# Altium PCB Zettbret.PcbDoc (continued)
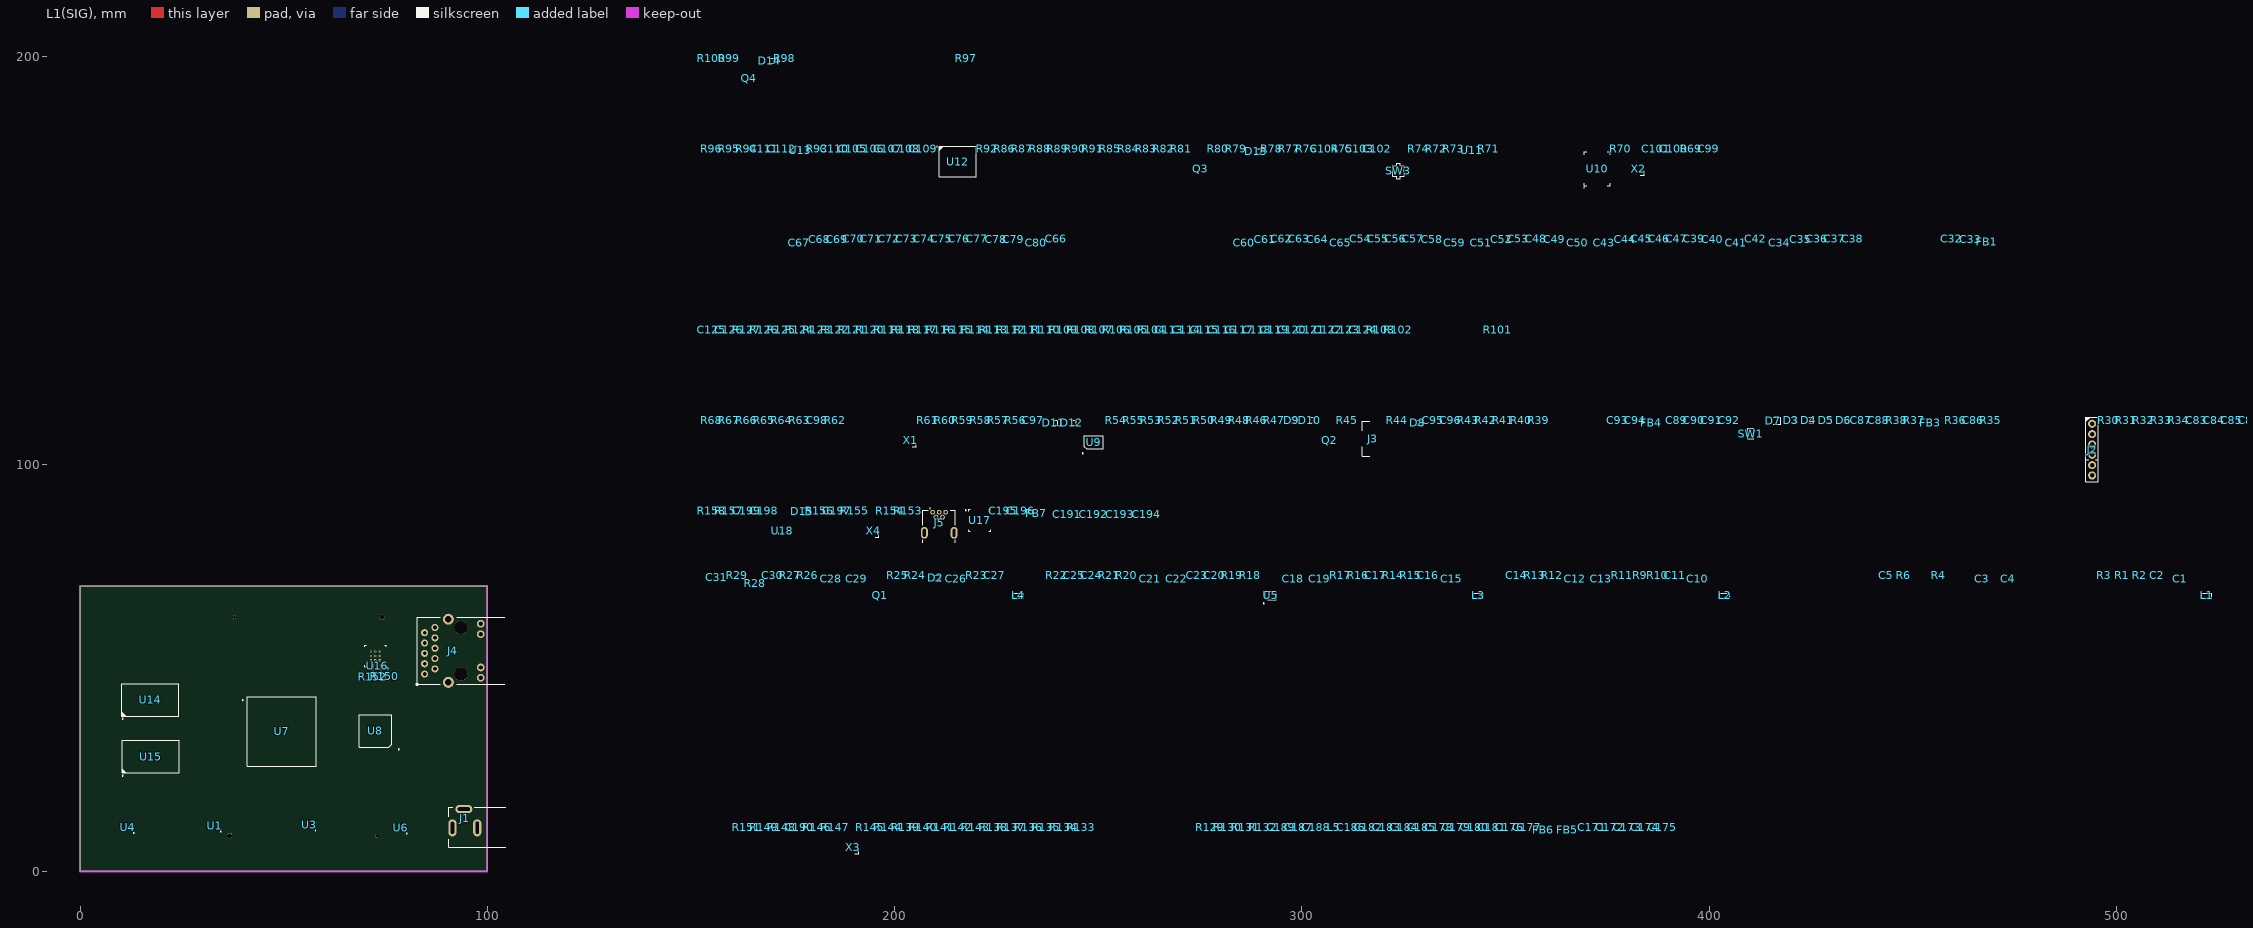
[diagram p0: L1(SIG) view]
## Components (designator, comment, footprint, x,y, rotation, side; value= is the part's Value field where it differs from the comment) (continued)
C178 "100n" CAP_0402 333.778,10.832 r0 top
C179 "4u7" CAP_0402 338.096,10.832 r0 top
C180 "4u7" CAP_0402 342.414,10.832 r0 top
C181 "100n" CAP_0402 346.732,10.832 r0 top
C182 "100n" CAP_0402 316.506,10.832 r0 top
C183 "4u7" CAP_0402 320.824,10.832 r0 top
C184 "4u7" CAP_0402 325.142,10.832 r0 top
C185 "100n" CAP_0402 329.46,10.832 r0 top
C186 "100n" CAP_0402 312.188,10.832 r0 top
C187 "100n" CAP_0402 299.234,10.832 r0 top
C188 "100n" CAP_0402 303.552,10.832 r0 top
C189 "100n" CAP_0402 294.916,10.832 r0 top
C190 "100n" CAP_0402 176.679,10.832 r0 top
C191 "C1210" CAP_1210 242.465,87.667 r0 top value=100n
C192 "C1210" CAP_1210 248.942,87.667 r0 top value=100n
C193 "C1210" CAP_1210 255.419,87.667 r0 top value=100n
C194 "C1210" CAP_1210 261.896,87.667 r0 top value=100n
C195 "4u7" CAP_0402 226.717,88.556 r0 top
C196 "4u7" CAP_0402 231.035,88.556 r0 top
C197 "C0402" CAP_0402 185.95,88.556 r0 top value=100n
C198 "C0402" CAP_0402 168.043,88.556 r0 top value=4u7
C199 "C0402" CAP_0402 163.725,88.556 r0 top value=4u7
D1 "D_SCHOTTKY_SOD_323" SOD-323 88.392,5.588 r180 bottom
D2 "GREEN" LED_0402_GREEN 210.08,72.046 r0 top
D3 "D_TVS_0402" D_0402 420.138,110.781 r0 top
D4 "D_TVS_0402" D_0402 424.456,110.781 r0 top
D5 "D_TVS_0402" D_0402 428.774,110.781 r0 top
D6 "D_TVS_0402" D_0402 433.092,110.781 r0 top
D7 "D_SCHOTTKY_SOD_323" SOD-323 415.82,110.654 r0 top
D8 "GREEN" LED_0402_GREEN 328.444,110.146 r0 top
D9 "D_TVS_0402" D_0402 297.583,110.781 r0 top
D10 "D_TVS_0402" D_0402 301.901,110.781 r0 top
D11 "GREEN" LED_0402_GREEN 239.036,110.146 r0 top
D12 "GREEN" LED_0402_GREEN 243.481,110.146 r0 top
D13 "GREEN" LED_0402_GREEN 288.82,176.821 r0 top
D14 "GREEN" LED_0402_GREEN 169.313,199.046 r0 top
D15 "PMEG1030EJ,115" SOD-323 177.314,88.429 r0 top
FB1 "FB0402" FB_0402 468.144,154.596 r90 top
FB2 "120R" FB_0402 540.915,110.146 r90 top
FB3 "120R" FB_0402 454.301,110.146 r90 top
FB4 "120R" FB_0402 385.848,110.146 r90 top
FB5 "120R" FB_0402 365.147,10.197 r90 top
FB6 "120R" FB_0402 359.305,10.197 r90 top
FB7 "120R" FB_0402 234.845,87.921 r90 top
J1 "CON-SOCJ-2155" CON-SOCJ-2155 97.536,10.668 r90 top
J2 "Digilent HS2 Header" DIGILENT_HS2 494.052,103.542 r0 top
J3 "USB3100-30-A" USB3100-30-A 317.395,106.209 r90 top
J4 "HR911130A" HR911130A 93.494,54.144 r270 top
J5 "GMSB0522132EU" GMSB0522132EU 210.969,85.635 r0 top
J6 "10144518-082802LF" 10144518-082802LF 56.029,62.394 r0 bottom
J7 "10144518-082802LF" 10144518-082802LF 54.829,8.714 r180 bottom
L1 "2u2" SRP0415 522.246,67.728 r90 top
L2 "2u2" SRP0415 403.882,67.728 r90 top
L3 "2u2" SRP0415 343.303,67.728 r90 top
L4 "2u2" SRP0415 230.4,67.728 r90 top
L5 "L0402" IND_0402 307.87,10.832 r0 top value=3u3
Q1 "2N7002NXAKR" SSM3J338R,LF-SOT23-F 196.491,67.728 r90 top
Q2 "2N7002NXAKR" SSM3J338R,LF-SOT23-F 306.854,105.828 r90 top
Q3 "2N7002NXAKR" SSM3J338R,LF-SOT23-F 275.231,172.503 r90 top
Q4 "2N7002NXAKR" SSM3J338R,LF-SOT23-F 164.36,194.728 r90 top
R1 "R0402" RES_0402#1 501.418,72.681 r0 top value=12K
R2 "R0402" RES_0402#1 505.736,72.681 r0 top value=68K
R3 "R0402" RES_0402#1 497.1,72.681 r0 top value=12K
R4 "R0402" RES_0402#1 456.46,72.681 r0 top value=100K
R5 "R0402" RES_0402#1 78.083,-11.393 r180 bottom value=100K
R6 "R0402" RES_0402#1 447.824,72.681 r0 top value=100K
R7 "R0402" RES_0402#1 77.216,7.62 r90 bottom value=12K
R8 "R0402" RES_0402#1 78.083,-13.171 r180 bottom value=4K7
R9 "R0402" RES_0402#1 383.054,72.681 r0 top value=12K
R10 "R0402" RES_0402#1 387.372,72.681 r0 top value=200K
R11 "R0402" RES_0402#1 378.736,72.681 r0 top value=12K
R12 "R0402" RES_0402#1 361.464,72.681 r0 top value=100K
R13 "R0402" RES_0402#1 357.146,72.681 r0 top value=100K
R14 "R0402" RES_0402#1 322.475,72.681 r0 top value=12K
R15 "R0402" RES_0402#1 326.793,72.681 r0 top value=124K
R16 "R0402" RES_0402#1 313.839,72.681 r0 top value=12K
R17 "R0402" RES_0402#1 309.521,72.681 r0 top value=12K
R18 "R0402" RES_0402#1 287.296,72.681 r0 top value=100K
R19 "R0402" RES_0402#1 282.978,72.681 r0 top value=100K
R20 "R0402" RES_0402#1 257.07,72.681 r0 top value=1K
R21 "R0402" RES_0402#1 252.752,72.681 r0 top value=100K
R22 "R0402" RES_0402#1 239.798,72.681 r0 top value=510R
R23 "R0402" RES_0402#1 220.24,72.681 r0 top value=453K
R24 "R0402" RES_0402#1 205.127,72.681 r0 top value=12K
R25 "R0402" RES_0402#1 200.809,72.681 r0 top value=12K
R26 "R0402" RES_0402#1 178.711,72.681 r0 top value=12K
R27 "R0402" RES_0402#1 174.393,72.681 r0 top value=100K
R28 "1M" RES_1206 165.757,70.776 r90 top
R29 "R0402" RES_0402#1 161.439,72.681 r0 top value=100K
R30 "R0402" RES_0402#1 498.116,110.781 r0 top value=4K7
R31 "R0402" RES_0402#1 502.434,110.781 r0 top value=4K7
R32 "R0402" RES_0402#1 506.752,110.781 r0 top value=4K7
R33 "R0402" RES_0402#1 511.07,110.781 r0 top value=4K7
R34 "R0402" RES_0402#1 515.388,110.781 r0 top value=4K7
R35 "R0402" RES_0402#1 469.16,110.781 r0 top value=22R
R36 "R0402" RES_0402#1 460.524,110.781 r0 top value=22R
R37 "R0402" RES_0402#1 450.364,110.781 r0 top value=22R
R38 "R0402" RES_0402#1 446.046,110.781 r0 top value=22R
R39 "R0402" RES_0402#1 358.162,110.781 r0 top value=510R
R40 "R0402" RES_0402#1 353.844,110.781 r0 top value=22R
R41 "R0402" RES_0402#1 349.526,110.781 r0 top value=22R
R42 "R0402" RES_0402#1 345.208,110.781 r0 top value=22R
R43 "R0402" RES_0402#1 340.89,110.781 r0 top value=22R
R44 "R0402" RES_0402#1 323.491,110.781 r0 top value=22R
R45 "R0402" RES_0402#1 311.172,110.781 r0 top value=100k
R46 "R0402" RES_0402#1 288.947,110.781 r0 top value=100k
R47 "R0402" RES_0402#1 293.265,110.781 r0 top value=22R
R48 "R0402" RES_0402#1 284.629,110.781 r0 top value=12K
R49 "R0402" RES_0402#1 280.311,110.781 r0 top value=22R
R50 "R0402" RES_0402#1 275.993,110.781 r0 top value=12K
R51 "R0402" RES_0402#1 271.675,110.781 r0 top value=510R
R52 "R0402" RES_0402#1 267.357,110.781 r0 top value=510R
R53 "R0402" RES_0402#1 263.039,110.781 r0 top value=2K49
R54 "R0402" RES_0402#1 254.403,110.781 r0 top value=12K
R55 "R0402" RES_0402#1 258.721,110.781 r0 top value=12K
R56 "R0402" RES_0402#1 229.765,110.781 r0 top value=DNP_0R
R57 "R0402" RES_0402#1 225.447,110.781 r0 top value=DNP_0R
R58 "R0402" RES_0402#1 221.129,110.781 r0 top value=20K
R59 "R0402" RES_0402#1 216.811,110.781 r0 top value=20K
R60 "R0402" RES_0402#1 212.493,110.781 r0 top value=1k
R61 "R0402" RES_0402#1 208.175,110.781 r0 top value=1k
R62 "R0402" RES_0402#1 185.442,110.781 r0 top value=22R
R63 "R0402" RES_0402#1 176.679,110.781 r0 top value=20K
R64 "R0402" RES_0402#1 172.361,110.781 r0 top value=20K
R65 "R0402" RES_0402#1 168.043,110.781 r0 top value=20K
R66 "R0402" RES_0402#1 163.725,110.781 r0 top value=1k
R67 "R0402" RES_0402#1 159.407,110.781 r0 top value=1k
R68 "R0402" RES_0402#1 155.089,110.781 r0 top value=1k
R69 "R0402" RES_0402#1 395.627,177.456 r0 top value=12K
R70 "R0402" RES_0402#1 378.355,177.456 r0 top value=4K7
R71 "R0402" RES_0402#1 345.97,177.456 r0 top value=22R
R72 "R0402" RES_0402#1 333.016,177.456 r0 top value=12K
R73 "R0402" RES_0402#1 337.334,177.456 r0 top value=12K
R74 "R0402" RES_0402#1 328.698,177.456 r0 top value=22R
R75 "R0402" RES_0402#1 309.902,177.456 r0 top value=12K
R76 "R0402" RES_0402#1 301.266,177.456 r0 top value=20K
R77 "R0402" RES_0402#1 296.948,177.456 r0 top value=20K
R78 "R0402" RES_0402#1 292.63,177.456 r0 top value=510R
R79 "R0402" RES_0402#1 283.867,177.456 r0 top value=22R
R80 "R0402" RES_0402#1 279.549,177.456 r0 top value=22R
R81 "R0402" RES_0402#1 270.405,177.456 r0 top value=22R
R82 "R0402" RES_0402#1 266.087,177.456 r0 top value=12K
R83 "R0402" RES_0402#1 261.769,177.456 r0 top value=22R
R84 "R0402" RES_0402#1 257.451,177.456 r0 top value=22R
R85 "R0402" RES_0402#1 253.006,177.456 r0 top value=22R
R86 "R0402" RES_0402#1 227.098,177.456 r0 top value=68K
R87 "R0402" RES_0402#1 231.416,177.456 r0 top value=68K
R88 "R0402" RES_0402#1 235.734,177.456 r0 top value=68K
R89 "R0402" RES_0402#1 240.052,177.456 r0 top value=68K
R90 "R0402" RES_0402#1 244.37,177.456 r0 top value=12K
R91 "R0402" RES_0402#1 248.688,177.456 r0 top value=12K
R92 "R0402" RES_0402#1 222.78,177.456 r0 top value=100K
R93 "R0402" RES_0402#1 180.997,177.456 r0 top value=12K
R94 "R0402" RES_0402#1 163.725,177.456 r0 top value=22R
R95 "R0402" RES_0402#1 159.407,177.456 r0 top value=0R
R96 "R0402" RES_0402#1 155.089,177.456 r0 top value=100K
R97 "R0402" RES_0402#1 217.573,199.681 r0 top value=510R
R98 "R0402" RES_0402#1 172.996,199.681 r0 top value=1k
R99 "R0402" RES_0402#1 159.407,199.681 r0 top value=12K
R100 "R0402" RES_0402#1 155.089,199.681 r0 top value=100K
R101 "R0402" RES_0402#1 348.129,133.006 r0 top value=100R
R102 "R0402" RES_0402#1 323.745,133.006 r0 top value=49R9
R103 "R0402" RES_0402#1 319.427,133.006 r0 top value=49R9
R104 "R0402" RES_0402#1 263.166,133.006 r0 top value=49R9
R105 "R0402" RES_0402#1 258.848,133.006 r0 top value=49R9
R106 "R0402" RES_0402#1 254.53,133.006 r0 top value=49R9
R107 "R0402" RES_0402#1 250.212,133.006 r0 top value=49R9
R108 "R0402" RES_0402#1 245.894,133.006 r0 top value=49R9
R109 "R0402" RES_0402#1 241.576,133.006 r0 top value=49R9
R110 "R0402" RES_0402#1 237.258,133.006 r0 top value=49R9
R111 "R0402" RES_0402#1 232.94,133.006 r0 top value=49R9
R112 "R0402" RES_0402#1 228.622,133.006 r0 top value=49R9
R113 "R0402" RES_0402#1 224.304,133.006 r0 top value=49R9
R114 "R0402" RES_0402#1 219.986,133.006 r0 top value=49R9
R115 "R0402" RES_0402#1 215.668,133.006 r0 top value=49R9
R116 "R0402" RES_0402#1 211.35,133.006 r0 top value=49R9
R117 "R0402" RES_0402#1 207.032,133.006 r0 top value=49R9
R118 "R0402" RES_0402#1 202.714,133.006 r0 top value=49R9
R119 "R0402" RES_0402#1 198.396,133.006 r0 top value=49R9
R120 "R0402" RES_0402#1 194.078,133.006 r0 top value=49R9
R121 "R0402" RES_0402#1 189.76,133.006 r0 top value=49R9
R122 "R0402" RES_0402#1 185.442,133.006 r0 top value=49R9
R123 "R0402" RES_0402#1 180.997,133.006 r0 top value=49R9
R124 "R0402" RES_0402#1 176.679,133.006 r0 top value=49R9
R125 "R0402" RES_0402#1 172.361,133.006 r0 top value=4K7
R126 "R0402" RES_0402#1 168.043,133.006 r0 top value=100R
R127 "R0402" RES_0402#1 163.725,133.006 r0 top value=100R
R128 "R0402" RES_0402#1 271.548,-15.584 r0 top value=240R
R129 "R0402" RES_0402#1 277.517,10.832 r0 top value=4K7
R130 "R0402" RES_0402#1 281.835,10.832 r0 top value=4K7
R131 "R0402" RES_0402#1 286.28,10.832 r0 top value=DNP_4K7
R132 "R0402" RES_0402#1 290.598,10.832 r0 top value=4K7
R133 "R0402" RES_0402#1 245.894,10.832 r0 top value=22R
R134 "R0402" RES_0402#1 241.576,10.832 r0 top value=22R
R135 "R0402" RES_0402#1 237.258,10.832 r0 top value=22R
R136 "R0402" RES_0402#1 232.94,10.832 r0 top value=22R
R137 "R0402" RES_0402#1 228.622,10.832 r0 top value=22R
R138 "R0402" RES_0402#1 224.304,10.832 r0 top value=22R
R139 "R0402" RES_0402#1 202.714,10.832 r0 top value=1k
R140 "R0402" RES_0402#1 207.032,10.832 r0 top value=1k
R141 "R0402" RES_0402#1 211.35,10.832 r0 top value=1k
R142 "R0402" RES_0402#1 215.668,10.832 r0 top value=1k
R143 "R0402" RES_0402#1 219.986,10.832 r0 top value=1k
R144 "R0402" RES_0402#1 198.396,10.832 r0 top value=4K7
R145 "R0402" RES_0402#1 194.078,10.832 r0 top value=4K7
R146 "R0402" RES_0402#1 180.997,10.832 r0 top value=22R
R147 "R0402" RES_0402#1 185.442,10.832 r0 top value=22R
R148 "R0402" RES_0402#1 172.361,10.832 r0 top value=510R
R149 "R0402" RES_0402#1 168.043,10.832 r0 top value=22R
R150 "R0402" RES_0402#2 75.333,47.916 r0 top value=4K7
R151 "R0402" RES_0402#1 163.725,10.832 r0 top value=4K7
R152 "R0402" RES_0402#3 71.904,47.281 r90 top value=510R
R153 "R0402" RES_0402#1 203.349,88.556 r0 top value=12K
R154 "R0402" RES_0402#1 198.904,88.556 r0 top value=1k
R155 "R0402" RES_0402#1 190.268,88.556 r0 top value=8K06
R156 "R0402" RES_0402#1 181.632,88.556 r0 top value=22R
R157 "R0402" RES_0402#1 159.407,88.556 r0 top value=510R
R158 "R0402" RES_0402#1 155.089,88.556 r0 top value=4K7
R159 "R0402" RES_0402#1 154.708,-27.903 r90 top value=240R
SW1 "DTSM-3" DTSM-3 410.232,107.479 r90 top
SW2 "219-3LPST" 219-3LPST 22.628,59.6 r180 bottom
SW3 "SKRPANE010" SKRPANE010 323.745,171.995 r90 top
U1 "SY8003ADFC" DFN2x2-8 33.02,11.176 r180 top
U2 "LS1205EVD33" DFN3x3_10L 83.82,7.62 r90 bottom
U3 "SY8003ADFC" DFN2x2-8 56.317,11.434 r180 top
U4 "SY8003ADFC" DFN2x2-8 11.706,10.832 r180 top
U5 "BD3539FVM-TR" MSOP8 292.376,67.728 r90 top
U6 "SY8003ADFC" DFN2x2-8 78.74,10.668 r180 top
U7 "XC7Z010-2CLG400I" BGA400C80P20X20_1700X1700X160N 49.52,34.333 r0 top
U8 "FT2232HL-REEL" LQFP-64-0.5mm 72.539,34.454 r180 top
U9 "93LC56BT-I/SN" SOIC-8 248.942,105.32 r90 top
U10 "W25Q128JVEIQ" WSON-8-8X6 372.513,172.503 r90 top
U11 "SN74LVC1G07DRLR" SOT-5 341.779,177.075 r0 top
U12 "S40FC004C1B2I00000" VFBGA153-9.0x7.5x0.8 215.541,174.281 r0 top
U13 "SN74LVC1G07DRLR" SOT-5 176.806,177.075 r0 top
U14 "MT41K256M16TW-107 IT:P" MICT-TW-96 17.288,42.099 r90 top
U15 "MT41K256M16TW-107 IT:P" MICT-TW-96 17.326,28.155 r90 top
U16 "RTL8211F-CG" QFN-40-0.4-EP 72.539,52.869 r180 top
U17 "USB3320C-EZK-TR" QFN-32-5x5x0.85mm 220.875,86.143 r0 top
U18 "MIC2099-1YMT-TR" TMLF-6-1_6X1_6 172.488,83.603 r90 top
X1 "ECS-2520MV-130-BN-TR" XTAL_2520 203.984,105.828 r90 top
X2 "ECS-2520MV-333.3-BN-TR" XTAL_2520 382.8,172.503 r90 top
X3 "ECS-2520MV-250-BN-TR" XTAL_2520 189.887,5.879 r90 top
X4 "ECS-2520MV-130-BN-TR" XTAL_2520 194.84,83.603 r90 top

## Footprints (in the part's own frame and the unit in brackets; to place one, negate y for a bottom-side part, rotate by r counter-clockwise, add the part's x,y. Pads: shape width x height; smd on the part's side, far side on the other; paste and mask are expansions set on the pad)
219-3LPST [mm]
  silkscreen extent -3.03,-2.39 2.97,2.36, body extent -4.54,-4.95 4.54,4.96, height 4.31
10144518-082802LF [mm]
  round 0.85 hole 0.85 unplated: MH(-18.1,0)
  round 1.25 hole 1.25 unplated: MH(18.1,0)
  silkscreen extent -19.25,-3.25 19.25,4.15, body extent -18.9,-3 18.9,3, height 5.71
BGA400C80P20X20_1700X1700X160N [mm]
  silkscreen extent -9.7,-8.5 8.5,8.5, body extent -8.5,-8.5 8.5,8.5, height 1.6
CAP_0201 [mm]
  body extent -0.32,-0.17 0.32,0.16, height 0.34
CAP_0402 [mm]
  body extent -0.5,-0.26 0.5,0.26, height 0.37
CAP_1206 [mm]
  body extent -1.6,-0.8 1.6,0.8, height 0.94
CAP_1210 [mm]
  body extent -1.6,-1.25 1.6,1.25, height 2.5
CON-SOCJ-2155 [mm]
  oval 4.2x2 hole 0.8 slot 3 at 0 deg: 1(0,6.1) 2(0,0)
  oval 2x4.2 hole 0.8 slot 3 at 90 deg: 3(4.6,3.3)
  silkscreen extent -4.75,-7 5,6.98, body extent -4.5,-7.5 4.75,6.6, height 11.11
D_0402 [mm]
  silkscreen extent 0,-0.7 1.2,0.7, body extent -0.5,-0.25 0.5,0.25, height 0.51
DFN2x2-8 [mm]
  silkscreen extent -1.6,1.3 -1.4,1.5, body extent -1.05,-1.05 1.05,1.05, height 0.65
DFN3x3_10L [mm]
  silkscreen extent -2.3,-1.7 1.7,1.8, body extent -1.55,-1.55 1.55,1.55, height 0.8
DIGILENT_HS2 [mm]
  round 2 hole 1.1: 1(0,6.35) 2(0,3.81) 3(0,1.27) 4(0,-1.27) 5(0,-3.81) 6(0,-6.35)
  silkscreen extent -1.5,-7.93 1.5,8, body extent -1.2,-7.62 1.21,7.62, height 8.39
DTSM-3 [mm]
  silkscreen extent -1.25,-0.75 1.25,0.75, body extent -3.6,-1.75 3.6,1.75, height 4.96
FB_0402 [mm]
  body extent -0.5,-0.25 0.5,0.25, height 0.51
GMSB0522132EU [mm]
  round 1.2 hole 0.7 mask+0.3: 1(-1.6,2.525) 2(-0.8,1.325) 3(0,2.525) 4(0.8,1.325) 5(1.6,2.525)
  oval 1.7x2.9 hole 0.7 slot 1.9 at 90 deg: SH(-3.65,-2.525) SH(3.65,-2.525)
  silkscreen extent -4,-4.97 4,3.6, body extent -3.95,-6.27 3.95,3.13, height 3.91
HR911130A [mm]
  round 1.75 hole 0.9: 1(5.72,-8.89) 2(4.45,-6.35) 3(3.18,-8.89) 4(1.91,-6.35) 5(0.64,-8.89) 6(-0.63,-6.35) 7(-1.9,-8.89) 8(-3.17,-6.35) 9(-4.44,-8.89) 10(-5.71,-6.35)
  round 1.9 hole 1.05: 11(6.625,4.9) 12(4.085,4.9) 13(-4.085,4.9) 14(-6.625,4.9)
  round 3.25 hole 3.25 unplated: MH(-5.715,0) MH(5.715,0)
  round 2.7 hole 1.65: SH(-7.745,-3.05) SH(7.745,-3.05)
  silkscreen extent -8.25,-10.95 8.45,10.75, body extent -7.94,-10.49 7.94,10.91, height 13.51
IND_0402 [mm]
  body extent -0.56,-0.26 0.56,0.26, height 0.67
LED_0402_GREEN [mm]
  silkscreen extent -0.15,-0.65 1.1,0.65, body extent -0.51,-0.25 0.51,0.25, height 0.45
LQFP-64-0.5mm [mm] "TSQFP, 64-Leads, Body 10.00x10.00mm, Pitch 0.50mm, IPC Medium Density"
  silkscreen extent -5.88,-4 4,4.62, body extent -6,-6 6,6, height 1.6
MICT-TW-96 [mm] "BGA, 96-Balls, Body 8x14mm, Pitch 0.8mm"
  silkscreen extent -4.77,-7 4,7, body extent -4,-7 4,7, height 1.2
MSOP8 [mm] "TSOP, 8-Leads, Body 2.90x2.80mm, Pitch 0.65mm, IPC Medium Density"
  silkscreen extent -2.07,-1.3 1.05,1.85, body extent -2,-1.5 2,1.5, height 0.9
QFN-32-5x5x0.85mm [mm]
  silkscreen extent -3.47,-2.7 2.7,2.7, body extent -2.55,-2.55 2.55,2.55, height 1
QFN-40-0.4-EP [mm] "QFN 40 Pads 0.4mm Pitch Thermal Pad"
  rrect50% 0.2x0.8 smd mask+0.15: 34(0.6,2.425) 39(-1.4,2.425)
  silkscreen extent -3.14,-2.65 2.65,3.19, body extent -2.5,-2.5 2.5,2.5, height 0.9
RES_0402#1 [mm]
  body extent -0.5,-0.25 0.5,0.25, height 0.3
RES_0402#2 [mm]
  rrect25% 0.6x0.7 smd: 1(-0.5,0)
  body extent -0.5,-0.25 0.5,0.25, height 0.3
RES_0402#3 [mm]
  rrect25% 0.6x0.7 smd: 2(0.5,0)
  body extent -0.5,-0.25 0.5,0.25, height 0.3
RES_1206 [mm]
  body extent -1.6,-0.83 1.6,0.83, height 0.57
SKRPANE010 [mm]
  silkscreen extent -1.9,-1.4 1.9,1.4, body extent -2.3,-1.6 2.3,1.6, height 2.51
SOD-323 [mm]
  silkscreen extent -0.1,-0.85 1.75,0.85, body extent -1.3,-0.68 1.3,0.67, height 1.1
SOIC-8 [mm] "SOIC, 8-Leads, Body 4.91x3.90mm, Pitch 1.27mm, IPC Medium Density"
  silkscreen extent -2.85,-2.3 1.6,2.88, body extent -3,-2.5 3,2.5, height 1.75
SOT-5 [mm] "SOT, 5-Leads, Body 1.60x1.60mm, Pitch 0.50mm, IPC Medium Density"
  silkscreen extent -1.1,-0.5 0,1.1, body extent -0.8,-0.85 0.8,0.85, height 0.6
SRP0415 [mm]
  silkscreen extent -0.5,-1.25 0.5,1.25, body extent -2.2,-2.05 2.2,2.05, height 1.55
SSM3J338R,LF-SOT23-F [mm]
  body extent -1.45,-1.2 1.45,1.2, height 0.91
TMLF-6-1_6X1_6 [mm]
  silkscreen extent -0.83,0.97 -0.47,0.97, body extent -0.83,-0.82 0.83,0.82, height 0.6
USB3100-30-A [mm]
  silkscreen extent -4.25,0.75 4.25,2.5, body extent -4.61,-3.34 4.61,2.16, height 2.69
VFBGA153-9.0x7.5x0.8 [mm]
  silkscreen extent -5.32,-3.75 4.5,3.77, body extent -4.5,-3.75 4.5,3.75, height 0.8
WSON-8-8X6 [mm] "8-Pad WSON 8x6-mm (Package Code E) (Winbond)"
  silkscreen extent -4.65,-3.2 4.2,3.25, body extent -4.05,-3.05 4.05,3.05, height 0.8
XTAL_2520 [mm]
  silkscreen extent -1.6,-1.33 -0.54,-0.36, body extent -1.25,-1 1.25,1, height 0.8

## Part data
C1 C3 C4 C6 C7 C10 C12 C13 C15 C18 C19 C21 C22 C26 C28 C29 C34 C41 C43 C50 C51 C59 C60 C65 C67 C80 C191 C192 C193 C194: library part CAP_1210, "Capacitor SMD 1210"
C2 C5 C8 C9 C11 C14 C16 C17 C20 C23 C24 C25 C27 C30 C33 C35 C40 C44 C49 C52 C58 C61 C64 C68 C69 C78 C79 C86 C99 C100 C101 C102 C103 C104 C105 C106 C107 C108 C109 C110 C111 C112 C113 C114 C115 C116 C117 C118 C119 C120 C121 C122 C123 C124 C125 C126 C127 C128 C129 C130 C131 C132 C133 C134 C135 C136 C137 C138 C139 C140 C141 C142 C143 C144 C145 C146 C147 C148 C149 C150 C151 C152 C153 C154 C155 C156 C157 C158 C159 C160 C161 C162 C163 C164 C165 C166 C167 C168 C169 C170 C197 C198 C199: library part CAP_0402, "Capacitor SMD 0402"
C31: library part CAP_1206, "Capacitor SMD 1206", Voltage=250V
C32 C36 C37 C38 C39 C42 C45 C46 C47 C48 C53 C54 C55 C56 C57 C62 C63 C66 C70 C71 C72 C73 C74 C75 C76 C77: library part CAP_0201, "Capacitor SMD 0201"
C81 C82 C83 C84 C85 C87 C88 C89 C90 C91 C92 C93 C94 C95 C96 C97 C98 C171 C172 C173 C174 C175 C176 C177 C178 C179 C180 C181 C182 C183 C184 C185 C186 C187 C188 C189 C190 C195 C196: library part CAP_0402, "Capacitor SMD 0402", package=0402
D1 D7: "Diode Schottky SMD SOD-323"
D2 D8 D11 D12 D13 D14: library part LED_0402_GREEN, "LED 0402 GREEN SMD"
D3 D4 D5 D6 D9 D10: "Diode TVS / ESD 0402"
D15: library part D_SCHOTTKY_SOD_323, "Diode Schottky SMD SOD-323"
FB1 FB2 FB3 FB4 FB5 FB6 FB7: library part FB_0402, "Ferrite Bead SMD 0402"
J1: "DC Barrell Jack 2.1mm 30V 2.5A THT", Manufacturer=Gravitech, Manufacturer Part Number=CON-SOCJ-2155
J2: library part Digilent_HS2_Header, "Digilent HS2 6-Pin 2.54mm Pitch Header", Manufacturer="Amphenol FCI", Manufacturer Part Number=68000-406HLF
J3: "USB Connector Type Micro B 2.0 SMD Reverse Mount", Manufacturer=GCT, Manufacturer Part Number=USB3100-30-A
J4: "100/1000Base-T Magnetics Single-Port RJ45 Connector with Integrated Magnetics and LEDs", Manufacturer=Hanrun, Manufacturer Part Number=HR911130A
J5: "USB 2.0 Mini AB Receptacle Right Angle Through-Hole", Manufacturer=Amphenol, Manufacturer Part Number=GMSB0522132EU
J6 J7: "BergStak® Lite 0.80mm, Board-to-Board Connector, 80 Positions, Dual Row, Vertical Header", Manufacturer=Amphenol, Manufacturer Part Number=10144518-082802LF
L1 L2 L3 L4: library part SRP0415-2R2K, "Inductor SMD 2.2uH Bourns SRP0415-2R2K", Manufacturer=Bourns, Manufacturer Part Number=SRP0415-2R2K
L5: library part IND_0402, "Inductor SMD 0402"
Q1 Q2 Q3 Q4: "MOSFET N-Channel Vds=60V Id=300mA with ESD Protection", Manufacturer=Nexperia, Manufacturer Part Number=2N7002NXAKR
R1 R2 R3 R4 R5 R6 R7 R8 R9 R10 R11 R12 R13 R14 R15 R16 R17 R18 R19 R20 R21 R22 R23 R24 R25 R26 R27 R29 R30 R31 R32 R33 R34 R35 R36 R37 R38 R39 R40 R41 R42 R43 R44 R45 R46 R47 R48 R49 R50 R51 R52 R53 R54 R55 R56 R57 R58 R59 R60 R61 R62 R63 R64 R65 R66 R67 R68 R69 R70 R71 R72 R73 R74 R75 R76 R77 R78 R79 R80 R81 R82 R83 R84 R85 R86 R87 R88 R89 R90 R91 R92 R93 R94 R95 R96 R97 R98 R99 R100 R101 R102 R103 R104 R105 R106 R107 R108 R109 R110 R111 R112 R113 R114 R115 R116 R117 R118 R119 R120 R121 R122 R123 R124 R125 R126 R127 R128 R129 R130 R131 R132 R133 R134 R135 R136 R137 R138 R139 R140 R141 R142 R143 R144 R145 R146 R147 R148 R149 R150 R151 R152 R153 R154 R155 R156 R157 R158 R159: library part RES_0402, "Resistor SMD 0402"
R28: library part RES_1206, "Resistor SMD 1206"
SW1: "Tactile Switch SMD SPST", Manufacturer=Diptronics, Manufacturer Part Number=DTSM-3
SW2: "DIP Switches SPST 3x", Manufacturer=CTS, Manufacturer Part Number=219-3LPST
SW3: "Tactile Switch SMD SPST", Manufacturer="Alps Alpine", Manufacturer Part Number=SKRPANE010
U1 U3 U4 U6: "High Efficiency 5.5V, 3A Continuous, 1MHz Synchronous Step Down Regulator", LCSC=C178236, Manufacturer=Silergy, Manufacturer Part Number="High Efficiency 5.5V, 3A continuous, 1MHz"
U2: "18V, 5A eFuse with Programmable Current Limit and Output Voltage Clamp", Manufacturer=Littelfuse, Manufacturer Part Number=LS1205EVD33
U5: "1.0V to 5.5V, 1A 1Ch Termination Regulator for DDR-SDRAMs", Manufacturer="ROHM Semiconductor", Manufacturer Part Number=BD3539FVM-TR
U8: "Hi-Speed Dual USB UART/FIFO IC", LCSC=C27882, Manufacturer=FTDI, Distributor Link=https://www.mouser.de/ProductDetail/FTDI/FT2232HL-REEL?qs=D1%2FPMqvA100v7FHcEx164g%3D%3D, Manufacturer Part Number=FT2232HL-REEL
U9: "2K Microwire Compatible Serial EEPROM", LCSC=C6164, Manufacturer=Microchip, Distributor Link=https://www.mouser.de/ProductDetail/Microchip-Technology/93LC56BT-I-SN?qs=lQv0JY93vreW%252BBssv4v8RA%3D%3D, Manufacturer Part Number=93LC56BT-I/SN
U10: "3V 128M-BIT SERIAL FLASH MEMORY WITH DUAL/QUAD SPI & QPI & DTR WSON-8", Manufacturer=Winbond, Manufacturer Part Number=W25Q128JVEIQ
U11 U13: "Single Buffer/Driver With Open-Drain Output", LCSC=C183013, Manufacturer="Texas Instruments", Distributor Link=https://www.mouser.de/ProductDetail/Texas-Instruments/SN74LVC1G07DRLR?qs=pajgIaoyDUjwau6f5T7MtQ%3D%3D, Manufacturer Part Number=SN74LVC1G07DRLR
U12: "eMMC MLC Memory 4GB 3V3", Manufacturer="SkyHigh Memory", Manufacturer Part Number=S40FC004C1B2I00000
U14 U15: library part CMP-2000-06773-2, "Automotive DDR3L SDRAM, 4 GB, 933 MHz, 1.283 to 1.45 V, -40 to 95 degC, 96-Pin TFBGA, RoHS, Tray", Manufacturer=Micron, Max Frequency=933MHz, Max Operating Temperature=95degC, Min Operating Temperature=-40degC, Operating Supply Voltage=1.35V, Package Description="96-Ball Fine Pitch Ball Grid Array, Body 14 x 8 mm, Pitch 0.8 mm", Package Reference=TW-96, Access Time=1.07ns, Address Bus Width=15b, Contact Plating=Silver, Data Bus Width=16b, Datasheet URL=https://www.micron.com/~/media/documents/products/data-sheet/dram/ddr3/4gb_automotive_ddr3l.pdf, Datasheet Version="Rev. D, 02/2017", Density=4Gb, Manufacturer URL=http://www.micron.com/, Mount=SurfaceMount, Mounting Technology=SurfaceMount, RoHSCompliant=true
U16: "INTEGRATED 10/100/1000M ETHERNET PRECISION TRANSCEIVER", Manufacturer=Realtek, Manufacturer Part Number=RTL8211F-CG
U17: "Hi-Speed USB 2.0 ULPI Transceiver", Manufacturer=Microchip, Manufacturer Part Number=USB3320C-EZK-TR
U18: "Power Distribution Switch Resistor programmable current limit / – 0.1A to 1.1A 2.5V-5.5V", Manufacturer=Microchip, Manufacturer Part Number=MIC2099-1YMT-TR
X1 X4: "Standard Clock Oscillators XO (Standard),13MHz,Standby (Power Down),CMOS, Multi-Volt,1.6 V 3.6 V,+/-50ppm,-40 C 85 C,6mA,Surface Mount,4-SMD, No Lead,(2.50mm x 2.00mm),(0.80mm)", Manufacturer=ECS, Manufacturer Part Number=ECS-2520MV-130-BN-TR
X2 X3: library part ECS-2520MV-130-BN-TR, "Standard Clock Oscillators XO (Standard),13MHz,Standby (Power Down),CMOS, Multi-Volt,1.6 V 3.6 V,+/-50ppm,-40 C 85 C,6mA,Surface Mount,4-SMD, No Lead,(2.50mm x 2.00mm),(0.80mm)", Manufacturer=ECS, Manufacturer Part Number=ECS-2520MV-130-BN-TR

## Via types
v1: diameter 0.6, hole 0.25, L1(SIG) to L10(SIG), 9 vias

## Nets (pads, with @x,y where several pads share a name; then routed paths per layer and width w, separated by ;. In a path a pad name is that pad's centre, name@x,y a point inside that pad or via, vN(x,y) a via of type N, cw(c..) or ccw(c..) an arc to the next point about the centre after c; other vN are vias at no path point)
+0V675: 
+0V675_Ref: 
+1V0: 
+1V0_ETH: 
+1V8: 
+1V8_ETH: 
+1V8_FTDI: 
+1V8_PLL: 
+1V35: 
+3V3: J2.6 J4.11 J4.14
+3V3_ETH: 
+3V3_FTDI_PHY: 
+3V3_FTDI_PLL: 
+5V: 
+5V_USB: 
+5V_USB_AB: J5.1
+5V_USB_SW: 
+VCC: 
+VDC: J1.1
CGND: 
CLK_12MHZ: 
CLK_13MHz: 
CLK_25MHz: 
CLK_33M334: 
DDR_A0: 
DDR_A1: 
DDR_A2: 
DDR_A3: 
DDR_A4: 
DDR_A5: 
DDR_A6: 
DDR_A7: 
DDR_A8: 
DDR_A9: 
DDR_A10: 
DDR_A11: 
DDR_A12: 
DDR_A13: 
DDR_A14: 
DDR_BA0: 
DDR_BA1: 
DDR_BA2: 
DDR_CK_N: 
DDR_CK_P: 
DDR_CKE: 
DDR_DM0: 
DDR_DM1: 
DDR_DM2: 
DDR_DM3: 
DDR_DQ0: 
DDR_DQ1: 
DDR_DQ2: 
DDR_DQ3: 
DDR_DQ4: 
DDR_DQ5: 
DDR_DQ6: 
DDR_DQ7: 
DDR_DQ8: 
DDR_DQ9: 
DDR_DQ10: 
DDR_DQ11: 
DDR_DQ12: 
DDR_DQ13: 
DDR_DQ14: 
DDR_DQ15: 
DDR_DQ16: 
DDR_DQ17: 
DDR_DQ18: 
DDR_DQ19: 
DDR_DQ20: 
DDR_DQ21: 
DDR_DQ22: 
DDR_DQ23: 
DDR_DQ24: 
DDR_DQ25: 
DDR_DQ26: 
DDR_DQ27: 
DDR_DQ28: 
DDR_DQ29: 
DDR_DQ30: 
DDR_DQ31: 
DDR_DQS0_N: 
DDR_DQS0_P: 
DDR_DQS1_N: 
DDR_DQS1_P: 
DDR_DQS2_N: 
DDR_DQS2_P: 
DDR_DQS3_N: 
DDR_DQS3_P: 
DDR_NCAS: 
DDR_NCS: 
DDR_NRAS: 
DDR_NRST: 
DDR_NWE: 
DDR_ODT: 
DDR_VRN: 
DDR_VRP: 
DDR_ZQ1: 
DDR_ZQ2: 
DONE: 
EEPROM_DO: 
eFuse_EN: 
eFuse_ILIM: 
eFuse_SS: 
eFuse_VCP: 
EMMC_CLK: 
EMMC_NRST: 
EMMC_VDDI: 
EN_1V0: 
EN_1V8: 
EN_1V35: 
EN_3V3: 
EN_VTT: 
ETH_CLK_25MHz: 
ETH_CLK_OUT: 
ETH_LED0: 
ETH_LED1: 
ETH_LED2: R152.2 U16.34 | length 2.7
  L1(SIG) w0.2: R152.2 71.939,47.816 U16.34
ETH_LED_GR_K: J4.12
ETH_LED_YL_K: J4.13
ETH_MDC: 
ETH_MDIO: 
ETH_NINT: 
ETH_NRST: 
ETH_NRST_+3V3: 
ETH_PHY_RXCLK: 
ETH_PHY_RXCLT: 
ETH_PHY_RXD0: 
ETH_PHY_RXD1: 
ETH_PHY_RXD2: 
ETH_PHY_RXD3: 
ETH_PHY_TXCLK: 
ETH_PHY_TXCLT: 
ETH_PHY_TXD0: 
ETH_PHY_TXD1: 
ETH_PHY_TXD2: 
ETH_PHY_TXD3: 
ETH_REG_OUT: 
ETH_RSET: R150.1 U16.39 | length 3
  L1(SIG) w0.2: U16.39 73.939,50.144 73.986,50.097 73.986,48.21 74.28,47.916 R150.1@74.579,47.916
ETH_RXCLK: 
ETH_RXCLT: 
ETH_RXD0: 
ETH_RXD1: 
ETH_RXD2: 
ETH_RXD3: 
ETH_TXCLK: 
ETH_TXCLT: 
ETH_TXD0: 
ETH_TXD1: 
ETH_TXD2: 
ETH_TXD3: 
ETH_XTAL_IN: 
FB_1V0: 
FB_1V8: 
FB_1V35: 
FB_3V3: 
FET_PL_Gate: 
FET_PS_Gate: 
FLASH_CLK_M4: 
FTDI_BDBUS0: 
FTDI_BDBUS1: 
FTDI_BDBUS5: 
FTDI_EECLK: 
FTDI_EECS: 
FTDI_EEDATA: 
FTDI_OSCI: 
FTDI_REF: 
FTDI_RX_LED_A: 
FTDI_RX_LED_K: 
FTDI_TX_LED_A: 
FTDI_TX_LED_K: 
GND: J1.2 J1.3 J2.5 J4.10 J5.5
  other v1: 71.439,51.769 72.539,51.769 73.639,51.769 71.439,52.869 72.539,52.869 73.639,52.869 71.439,53.969 72.539,53.969 73.639,53.969
LED_DONE_A: 
LED_DONE_K: 
LED_PL: 
LED_PL_A: 
LED_PL_K: 
LED_PS_A: 
LED_PS_K: 
LED_PWR_A: 
LED_PWR_K: 
M0: 
M1: 
M2: 
M3: 
M4: 
MDI0_N: J4.3
MDI0_P: J4.2
MDI1_N: J4.7
MDI1_P: J4.4
MDI2_N: J4.6
MDI2_P: J4.5
MDI3_N: J4.9
MDI3_P: J4.8
MIO43: 
MIO44: 
MIO45: 
MIO46: 
MIO47: 
MIO48: 
MIO49: 
MIO50: 
MIO51: 
MIO_VREF_0V9: 
NetJ3_SH: J4.SH J5.SH
NINIT: 
NPROGRAM: 
NPUDC: 
NRST_FTDI: 
PG_1V0: 
PG_1V8: 
PG_1V35: 
PG_3V3: 
PL_B5_L5_N: 
PL_B5_L5_P: 
PL_B34_L4_N: 
PL_B34_L4_P: 
PL_B34_L7_N: 
PL_B34_L7_P: 
PL_B34_L8_N: 
PL_B34_L8_P: 
PL_B34_L10_N: 
PL_B34_L10_P: 
PL_B34_L11_N: 
PL_B34_L11_P: 
PL_B34_L14_N: 
PL_B34_L14_P: 
PL_B34_L15_N: 
PL_B34_L15_P: 
PL_B34_L16_N: 
PL_B34_L16_P: 
PL_B34_L17_N: 
PL_B34_L17_P: 
PL_B34_L18_N: 
PL_B34_L18_P: 
PL_B34_L22_N: 
PL_B34_L22_P: 
PL_B35_IO25: 
PL_B35_L3_N: 
PL_B35_L3_P: 
PL_B35_L6_N: 
PL_B35_L6_P: 
PL_B35_L7_N: 
PL_B35_L7_P: 
PL_B35_L8_N: 
PL_B35_L8_P: 
PL_B35_L9_N: 
PL_B35_L9_P: 
PL_B35_L11_N: 
PL_B35_L13_N: 
PL_B35_L13_P: 
PL_B35_L14_N: 
PL_B35_L14_P: 
PL_B35_L16_N: 
PL_B35_L16_P: 
PL_B35_L20_N: 
PL_B35_L20_P: 
PL_B35_L22_N: 
PL_B35_L22_P: 
PL_B35_L23_N: 
PL_B35_L23_P: 
PL_B35_L24_N: 
PL_CLK_125MHz: 
PS_CLK_33M333: 
PS_LED: 
PS_NPOR: 
PS_NRST: 
PWR_LED_FET_G: 
QSPI_CLK: 
QSPI_DQ0_M3: 
QSPI_DQ1_M1: 
QSPI_DQ2_M2: 
QSPI_DQ3_M0: 
QSPI_NCS: 
SD_CLK: 
SD_CMD: 
SD_D0: 
SD_D1: 
SD_D2: 
SD_D3: 
SW_1V0: 
SW_1V8: 
SW_1V35: 
SW_3V3: 
TCK: 
TCK_FTDI: 
TCK_JTAG: J2.4
TDI: 
TDI_FTDI: 
TDI_JTAG: J2.2
TDO: 
TDO_FTDI: 
TDO_JTAG: J2.3
TMS: 
TMS_FTDI: 
TMS_JTAG: J2.1
UART1_RX: 
UART1_TX_VCFG1: 
USB_CLK: 
USB_DATA0: 
USB_DATA1: 
USB_DATA2: 
USB_DATA3: 
USB_DATA4: 
USB_DATA5: 
USB_DATA6: 
USB_DATA7: 
USB_DIR: 
USB_FTDI_D_N: 
USB_FTDI_D_P: 
USB_HS_CPEN: 
USB_HS_D_N: J5.2
USB_HS_D_P: J5.3
USB_HS_ID: J5.4
USB_HS_VBUS_FLT: 
USB_ILIM: 
USB_NRST: 
USB_NXT: 
USB_PHY_RBIAS: 
USB_PHY_VBUS: 
USB_REFCLK_13MHz: 
USB_STP: 
VCC: 
VCFG: 
VTT_VDDQ: 
VUSB_Filtered: 
pads on no net: J4.1 J4.MH J6.MH J7.MH

## Keep-outs
Keep-Out Layer:
  the board outline again, w0.5

## Silkscreen, mask and mechanical layers (free items; w line width, h text height)
Dimensions:
  the board outline again, w0.254

## Dimensions
0.022,0.037 to 99.955,0 on Dimensions
0,70.013 to -0.105,0.037 on Dimensions

## Text inside footprints (layer, text, board x,y; h text height)
D2: Top 3D Body "+" at 208.196,72.555 h0.5
D8: Top 3D Body "+" at 326.56,110.655 h0.5
D11: Top 3D Body "+" at 237.152,110.655 h0.5
D12: Top 3D Body "+" at 241.597,110.655 h0.5
D13: Top 3D Body "+" at 286.936,177.33 h0.5
D14: Top 3D Body "+" at 167.429,199.555 h0.5
J4: Top 3D Body "1" at 83.994,46.811 h1 r270
J6: Bottom 3D Body "2" at 38.695,64.894 h1 r180; Bottom 3D Body "1" at 38.862,60.394 h1 r180
J7: Bottom 3D Body "2" at 72.162,6.214 h1; Bottom 3D Body "1" at 71.995,10.714 h1
SW2: Bottom Overlay "ON" at 29.636,60.675 h1